# KiCad board ddr5-testboard.kicad_pcb (continued)
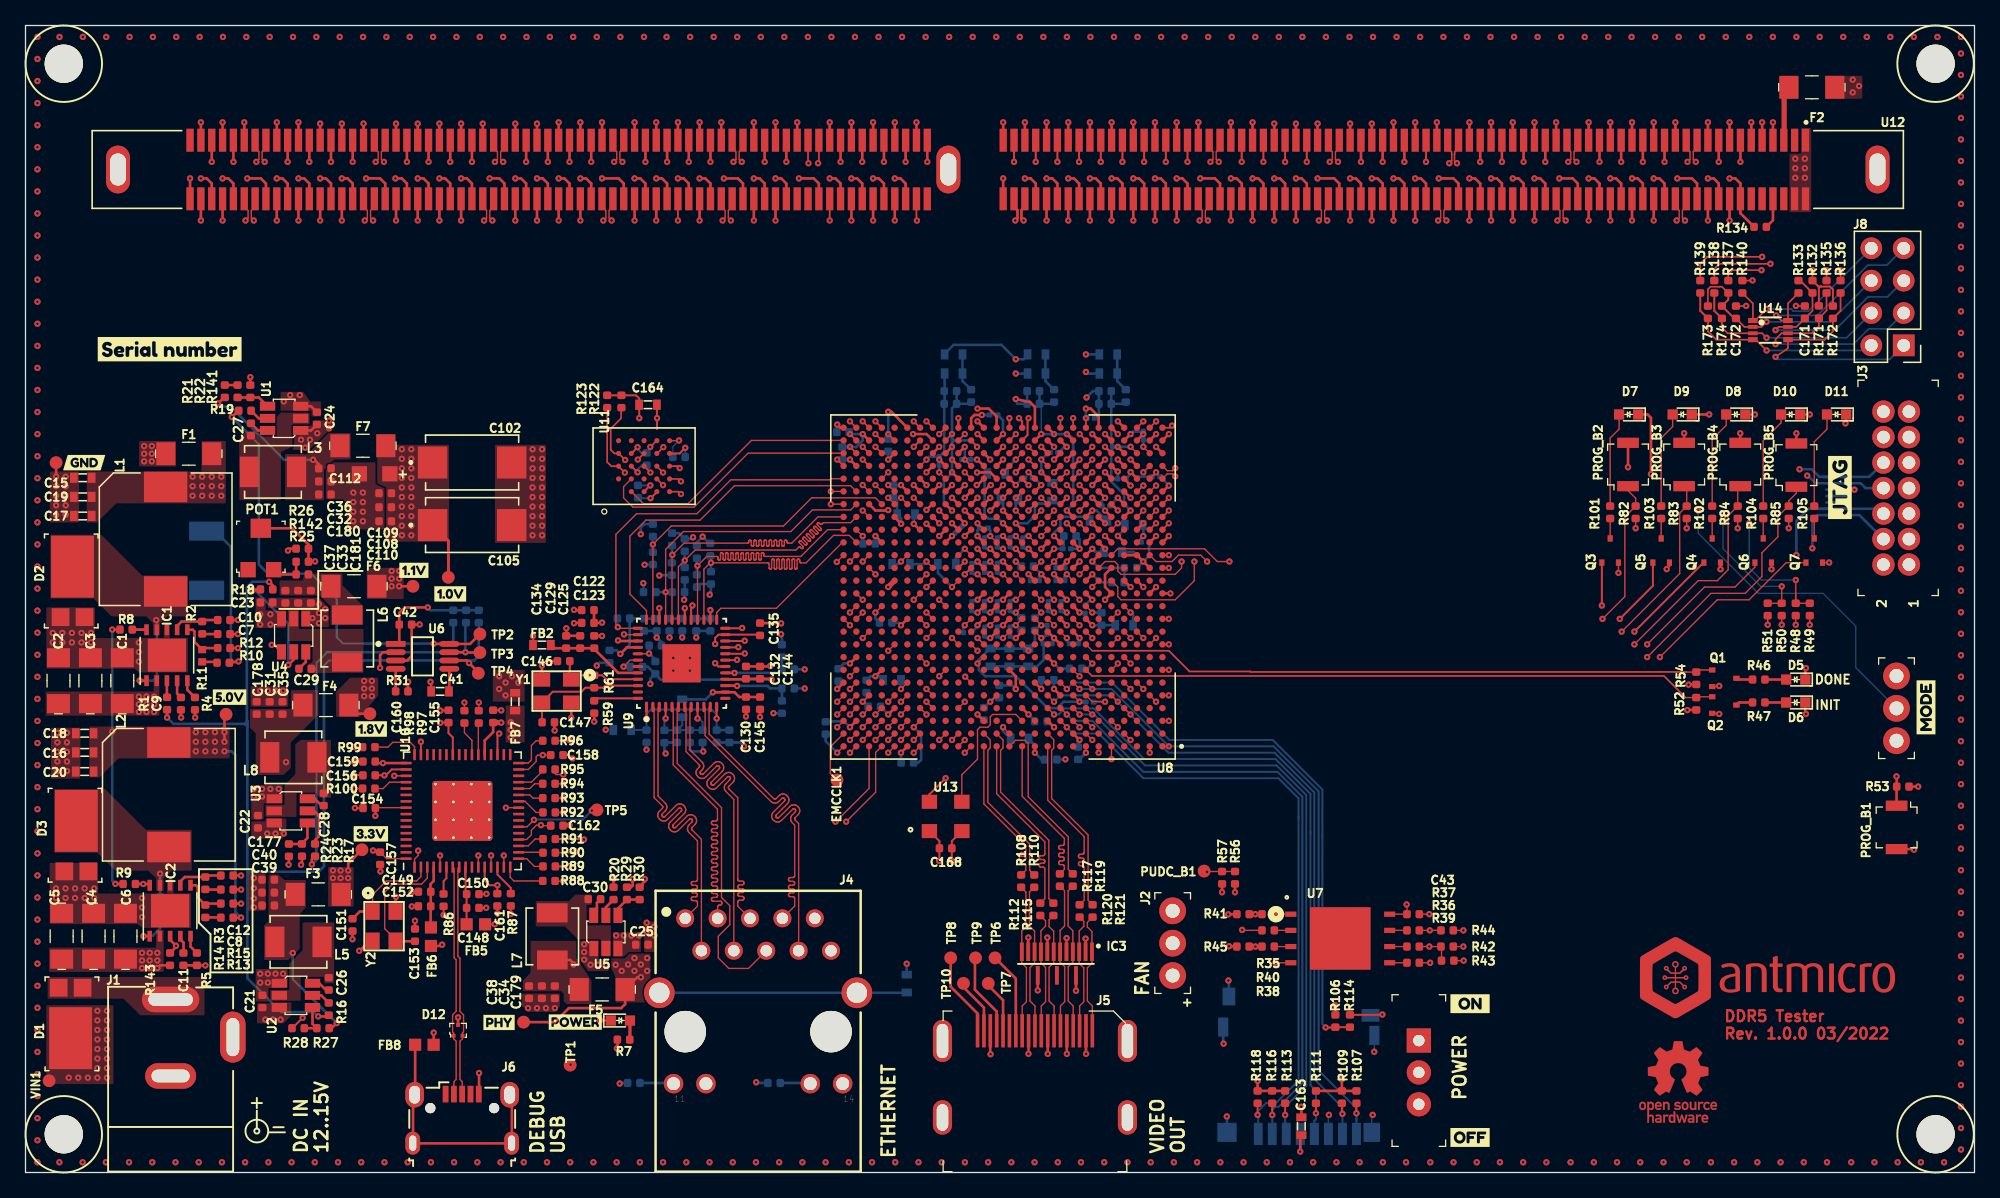
[diagram p0: board, top side]
## Routing (per net, layer and track width the routed paths; a pad name or vN(x,y) marks a point on that pad's centre or on a via; arc(x,y) is an arc through that point) (continued)
DQS4_A_N: length 36.4
  Top w0.1: U12.56 92.8,80.38 93.1,80.09 93.1,79.5 v3(92.9,79.3)
  Top w0.2: U8.AD8 v3(81.64,55.94)
  In5.Cu w0.102: v3(92.9,79.3) 93.11,79.09 93.11,78.71 93.11,78.69 93.1,78.67 93.09,78.65 93.07,78.63 93.05,78.62 93.03,78.61 93.01,78.61 92.79,78.61 92.73,78.6 92.66,78.58 92.6,78.54 92.55,78.49 92.52,78.44 92.49,78.37 92.49,78.3 92.49,78.26 92.49,78.2 92.52,78.13 92.55,78.07 92.6,78.02 92.66,77.99 92.73,77.96 92.79,77.96 93.64,77.96 93.66,77.95 93.68,77.94 93.7,77.93 93.72,77.92 93.73,77.9 93.74,77.88 93.74,77.85 93.74,77.83 93.73,77.81 93.72,77.79 93.7,77.77 93.68,77.76 93.66,77.75 93.64,77.75 92.79,77.75 92.73,77.74 92.66,77.72 92.6,77.68 92.55,77.64 92.52,77.58 92.49,77.51 92.49,77.44 92.49,77.41 92.49,77.34 92.52,77.27 92.55,77.21 92.6,77.16 92.66,77.13 92.73,77.1 92.79,77.1 93.01,77.1 93.03,77.09 93.05,77.09 93.07,77.07 93.09,77.06 93.1,77.04 93.11,77.02 93.11,76.99 93.11,63.27 91.7,61.86 87.3,61.86 82.02,56.58 82.02,56.33 v3(81.64,55.94)
DQS4_A_P: length 36.4
  Top w0.1: v3(93.55,79.3) 93.35,79.5 93.35,80.09 93.65,80.38 U12.55
  Top w0.2: U8.AC8 v3(82.64,55.94)
  In5.Cu w0.102: v3(82.64,55.94) 82.25,56.33 82.25,56.49 87.4,61.64 91.8,61.64 93.34,63.18 93.34,77.01 93.33,77.08 93.31,77.15 93.27,77.21 93.22,77.26 93.16,77.29 93.1,77.31 93.03,77.32 92.81,77.32 92.79,77.33 92.77,77.33 92.75,77.34 92.73,77.36 92.72,77.38 92.71,77.4 92.71,77.42 92.71,77.45 92.72,77.47 92.73,77.49 92.75,77.5 92.77,77.52 92.79,77.52 92.81,77.53 93.66,77.53 93.72,77.53 93.79,77.56 93.85,77.59 93.9,77.64 93.93,77.7 93.96,77.77 93.96,77.83 93.96,77.87 93.96,77.94 93.93,78.01 93.9,78.06 93.85,78.11 93.79,78.15 93.72,78.17 93.66,78.18 92.81,78.18 92.79,78.18 92.77,78.19 92.75,78.2 92.73,78.22 92.72,78.24 92.71,78.26 92.71,78.28 92.71,78.31 92.72,78.33 92.73,78.35 92.75,78.36 92.77,78.37 92.79,78.38 92.81,78.38 93.03,78.38 93.1,78.39 93.16,78.41 93.22,78.45 93.27,78.5 93.31,78.56 93.33,78.62 93.34,78.69 93.34,79.09 v3(93.55,79.3)
DQS4_B_N: length 51.7
  Top w0.1: U12.238 55.4,75.78 55.1,75.48 55.1,74.9 v3(55.3,74.7)
  Top w0.15: U8.AE12 78.56,57.86 78.56,59.11 v3(78.64,59.19)
  In5.Cu w0.102: v3(55.3,74.7) 55.09,74.49 55.09,74.19 55.08,74.12 55.06,74.06 55.02,74 54.97,73.95 54.91,73.91 54.85,73.89 54.78,73.88 54.44,73.88 54.42,73.88 54.4,73.87 54.38,73.86 54.37,73.85 54.35,73.83 54.35,73.81 54.34,73.78 54.35,73.76 54.35,73.74 54.37,73.72 54.38,73.7 54.4,73.69 54.42,73.68 54.44,73.68 55.52,73.68 55.59,73.67 55.66,73.65 55.72,73.61 55.77,73.56 55.8,73.51 55.83,73.44 55.83,73.37 55.83,73.33 55.83,73.27 55.8,73.2 55.77,73.14 55.72,73.09 55.66,73.06 55.59,73.03 55.52,73.03 54.44,73.03 54.42,73.02 54.4,73.02 54.38,73 54.37,72.99 54.35,72.97 54.35,72.95 54.34,72.92 54.35,72.9 54.35,72.88 54.37,72.86 54.38,72.84 54.4,72.83 54.42,72.83 54.44,72.82 55.52,72.82 55.59,72.81 55.66,72.79 55.72,72.76 55.77,72.71 55.8,72.65 55.83,72.58 55.83,72.51 55.83,72.48 55.83,72.41 55.8,72.34 55.77,72.28 55.72,72.23 55.66,72.2 55.59,72.18 55.52,72.17 54.44,72.17 54.42,72.16 54.4,72.16 54.38,72.15 54.37,72.13 54.35,72.11 54.35,72.09 54.34,72.07 54.35,72.04 54.35,72.02 54.37,72 54.38,71.99 54.4,71.97 54.42,71.97 54.44,71.96 55.52,71.96 55.59,71.96 55.66,71.93 55.72,71.9 55.77,71.85 55.8,71.79 55.83,71.72 55.83,71.66 55.83,71.62 55.83,71.55 55.8,71.48 55.77,71.42 55.72,71.38 55.66,71.34 55.59,71.32 55.52,71.31 54.44,71.31 54.42,71.31 54.4,71.3 54.38,71.29 54.37,71.27 54.35,71.25 54.35,71.23 54.34,71.21 54.35,71.18 54.35,71.16 54.37,71.14 54.38,71.13 54.4,71.12 54.42,71.11 54.44,71.11 55.52,71.11 55.59,71.1 55.66,71.07 55.72,71.04 55.77,70.99 55.8,70.93 55.83,70.87 55.83,70.8 55.83,70.76 55.83,70.69 55.8,70.63 55.77,70.57 55.72,70.52 55.66,70.48 55.59,70.46 55.52,70.45 54.44,70.45 54.42,70.45 54.4,70.44 54.38,70.43 54.37,70.41 54.35,70.39 54.35,70.37 54.34,70.35 54.35,70.33 54.35,70.3 54.37,70.29 54.38,70.27 54.4,70.26 54.42,70.25 54.44,70.25 54.78,70.25 54.85,70.24 54.91,70.22 54.97,70.18 55.02,70.13 55.06,70.07 55.08,70.01 55.09,69.94 55.09,69.07 55.85,68.31 74.35,68.31 78.37,64.29 78.37,59.45 v3(78.64,59.19)
DQS4_B_P: length 51.7
  Top w0.1: v3(54.65,74.7) 54.85,74.9 54.85,75.48 54.55,75.78 U12.239
  Top w0.15: U8.AF12 78.14,58.94 v3(77.89,59.19)
  In5.Cu w0.102: v3(54.65,74.7) 54.86,74.49 54.86,74.21 54.86,74.19 54.85,74.17 54.84,74.15 54.82,74.13 54.8,74.12 54.78,74.11 54.76,74.11 54.43,74.11 54.36,74.1 54.29,74.08 54.23,74.04 54.18,73.99 54.15,73.94 54.12,73.87 54.12,73.8 54.12,73.76 54.12,73.7 54.15,73.63 54.18,73.57 54.23,73.52 54.29,73.49 54.36,73.46 54.43,73.46 55.51,73.46 55.53,73.45 55.55,73.44 55.57,73.43 55.58,73.42 55.6,73.4 55.6,73.38 55.61,73.35 55.6,73.33 55.6,73.31 55.58,73.29 55.57,73.27 55.55,73.26 55.53,73.25 55.51,73.25 54.43,73.25 54.36,73.24 54.29,73.22 54.23,73.18 54.18,73.14 54.15,73.08 54.12,73.01 54.12,72.94 54.12,72.91 54.12,72.84 54.15,72.77 54.18,72.71 54.23,72.66 54.29,72.63 54.36,72.6 54.43,72.6 55.51,72.6 55.53,72.59 55.55,72.59 55.57,72.57 55.58,72.56 55.6,72.54 55.6,72.52 55.61,72.49 55.6,72.47 55.6,72.45 55.58,72.43 55.57,72.42 55.55,72.4 55.53,72.4 55.51,72.39 54.43,72.39 54.36,72.39 54.29,72.36 54.23,72.33 54.18,72.28 54.15,72.22 54.12,72.15 54.12,72.08 54.12,72.05 54.12,71.98 54.15,71.91 54.18,71.85 54.23,71.81 54.29,71.77 54.36,71.75 54.43,71.74 55.51,71.74 55.53,71.74 55.55,71.73 55.57,71.72 55.58,71.7 55.6,71.68 55.6,71.66 55.61,71.64 55.6,71.61 55.6,71.59 55.58,71.57 55.57,71.56 55.55,71.54 55.53,71.54 55.51,71.53 54.43,71.53 54.36,71.53 54.29,71.5 54.23,71.47 54.18,71.42 54.15,71.36 54.12,71.29 54.12,71.23 54.12,71.19 54.12,71.12 54.15,71.05 54.18,71 54.23,70.95 54.29,70.91 54.36,70.89 54.43,70.88 55.51,70.88 55.53,70.88 55.55,70.87 55.57,70.86 55.58,70.84 55.6,70.82 55.6,70.8 55.61,70.78 55.6,70.76 55.6,70.73 55.58,70.71 55.57,70.7 55.55,70.69 55.53,70.68 55.51,70.68 54.43,70.68 54.36,70.67 54.29,70.65 54.23,70.61 54.18,70.56 54.15,70.5 54.12,70.44 54.12,70.37 54.12,70.33 54.12,70.26 54.15,70.2 54.18,70.14 54.23,70.09 54.29,70.05 54.36,70.03 54.43,70.02 54.76,70.02 54.78,70.02 54.8,70.01 54.82,70 54.84,69.98 54.85,69.96 54.86,69.94 54.86,69.92 54.86,68.98 55.75,68.09 74.25,68.09 78.15,64.19 78.15,60.36 78.15,60.34 78.14,60.31 78.13,60.29 78.11,60.28 78.09,60.27 78.07,60.26 78.05,60.26 77.89,60.26 77.87,60.25 77.85,60.25 77.83,60.23 77.81,60.22 77.8,60.2 77.79,60.18 77.79,60.15 77.79,60.13 77.8,60.11 77.81,60.09 77.83,60.08 77.85,60.06 77.87,60.06 77.89,60.05 78.05,60.05 78.07,60.05 78.09,60.04 78.11,60.03 78.13,60.02 78.14,60 78.15,59.97 78.15,59.95 78.15,59.96 78.15,59.94 78.14,59.91 78.13,59.89 78.11,59.88 78.09,59.87 78.07,59.86 78.05,59.86 77.89,59.86 77.87,59.85 77.85,59.85 77.83,59.83 77.81,59.82 77.8,59.8 77.79,59.78 77.79,59.75 77.79,59.73 77.8,59.71 77.81,59.69 77.83,59.68 77.85,59.66 77.87,59.66 77.89,59.65 78.05,59.65 78.07,59.65 78.09,59.64 78.11,59.63 78.13,59.62 78.14,59.6 78.15,59.57 78.15,59.55 78.15,59.45 v3(77.89,59.19)
DQS5_A_N: length 77.6
  Top w0.1: U12.156 130.2,75.78 129.9,75.48 129.9,74.9 v1(130.1,74.7)
  Top w0.11: U8.A17 v1(73.64,33.94)
  In9.Cu w0.102: v1(130.1,74.7) 129.89,74.49 129.89,73.98 94.3,38.39 76.3,38.39 73.25,35.34 73.25,34.33 v1(73.64,33.94)
DQS5_A_P: length 77.6
  Top w0.1: v1(129.45,74.7) 129.65,74.9 129.65,75.48 129.35,75.78 U12.157
  Top w0.11: U8.B17 v1(72.64,33.94)
  In9.Cu w0.102: v1(129.45,74.7) 129.66,74.49 129.66,74.07 94.2,38.61 76.2,38.61 73.02,35.43 73.02,34.33 v1(72.64,33.94)
DQS5_B_N: length 57.1
  Top w0.1: v1(45.95,74.7) 45.75,74.9 45.75,75.48 46.05,75.78 U12.249
  Top w0.15: U8.R17 v1(73.64,47.94)
  In9.Cu w0.102: v1(45.95,74.7) 45.74,74.49 45.74,72.42 45.84,72.32 45.89,72.26 45.92,72.2 45.93,72.13 45.93,72.06 45.92,72 45.89,71.93 45.84,71.88 45.7,71.74 45.69,71.72 45.68,71.7 45.67,71.68 45.67,71.65 45.68,71.63 45.69,71.61 45.7,71.59 45.72,71.58 45.74,71.57 45.76,71.56 45.78,71.56 45.81,71.57 45.83,71.58 45.84,71.59 46.42,72.17 46.47,72.21 46.54,72.24 46.6,72.26 46.67,72.26 46.74,72.24 46.8,72.21 46.86,72.17 46.88,72.14 46.93,72.09 46.96,72.03 46.97,71.96 46.97,71.89 46.96,71.82 46.93,71.76 46.88,71.71 46.31,71.13 46.29,71.11 46.28,71.09 46.28,71.07 46.28,71.05 46.28,71.03 46.29,71 46.31,70.99 46.33,70.97 46.35,70.96 46.37,70.96 46.39,70.96 46.41,70.96 46.43,70.97 46.45,70.99 47.03,71.56 47.08,71.6 47.14,71.63 47.21,71.65 47.28,71.65 47.35,71.63 47.41,71.6 47.46,71.56 47.49,71.53 47.53,71.48 47.56,71.42 47.58,71.35 47.58,71.28 47.56,71.21 47.53,71.15 47.49,71.1 46.92,70.52 46.9,70.51 46.89,70.49 46.89,70.46 46.89,70.44 46.89,70.42 46.9,70.4 46.92,70.38 46.93,70.37 46.95,70.36 46.98,70.35 47,70.35 47.02,70.36 47.04,70.37 47.06,70.38 47.63,70.95 47.69,71 47.75,71.03 47.82,71.04 47.89,71.04 47.95,71.03 48.02,71 48.07,70.95 48.1,70.93 48.14,70.87 48.17,70.81 48.19,70.74 48.19,70.67 48.17,70.61 48.14,70.55 48.1,70.49 47.52,69.92 47.51,69.9 47.5,69.88 47.49,69.86 47.49,69.83 47.5,69.81 47.51,69.79 47.52,69.77 47.54,69.76 47.56,69.75 47.58,69.74 47.61,69.74 47.63,69.75 47.65,69.76 47.67,69.77 48.24,70.35 48.29,70.39 48.36,70.42 48.42,70.44 48.49,70.44 48.56,70.42 48.62,70.39 48.68,70.35 48.7,70.32 48.75,70.27 48.78,70.2 48.79,70.14 48.79,70.07 48.78,70 48.75,69.94 48.7,69.88 48.13,69.31 48.12,69.29 48.11,69.27 48.1,69.25 48.1,69.23 48.11,69.2 48.12,69.18 48.13,69.17 48.15,69.15 48.17,69.14 48.19,69.14 48.21,69.14 48.23,69.14 48.26,69.15 48.27,69.17 48.85,69.74 48.9,69.78 48.96,69.81 49.03,69.83 49.1,69.83 49.17,69.81 49.23,69.78 49.28,69.74 49.31,69.71 49.35,69.66 49.38,69.6 49.4,69.53 49.4,69.46 49.38,69.39 49.35,69.33 49.31,69.28 48.74,68.7 48.72,68.68 48.71,68.66 48.71,68.64 48.71,68.62 48.71,68.6 48.72,68.58 48.74,68.56 48.75,68.54 48.77,68.53 48.8,68.53 48.82,68.53 48.84,68.53 48.86,68.54 48.88,68.56 49.45,69.13 49.51,69.18 49.57,69.21 49.64,69.22 49.71,69.22 49.77,69.21 49.84,69.18 49.89,69.13 49.92,69.11 49.96,69.05 49.99,68.99 50.01,68.92 50.01,68.85 49.99,68.79 49.96,68.72 49.92,68.67 49.34,68.1 49.33,68.08 49.32,68.06 49.31,68.03 49.31,68.01 49.32,67.99 49.33,67.97 49.34,67.95 49.36,67.94 49.38,67.93 49.4,67.92 49.43,67.92 49.45,67.93 49.47,67.94 49.49,67.95 49.63,68.09 49.68,68.14 49.75,68.17 49.81,68.18 49.88,68.18 49.95,68.17 50.01,68.14 50.07,68.09 55.83,62.33 55.85,62.32 55.87,62.31 55.89,62.3 55.91,62.3 55.94,62.31 55.96,62.32 55.97,62.33 56.02,62.38 56.04,62.4 56.06,62.4 56.08,62.41 56.11,62.41 56.13,62.4 56.15,62.4 56.17,62.38 56.18,62.36 56.19,62.34 56.2,62.32 56.2,62.3 56.19,62.28 56.18,62.25 56.17,62.24 56.12,62.19 56.1,62.17 56.09,62.15 56.09,62.13 56.09,62.1 56.09,62.08 56.1,62.06 56.12,62.04 68.55,49.61 70.55,49.61 72.61,47.55 73.25,47.55 v1(73.64,47.94)
DQS5_B_P: length 57.1
  Top w0.1: v1(45.3,74.7) 45.5,74.9 45.5,75.48 45.2,75.78 U12.250
  Top w0.15: U8.R16 v1(73.64,46.94)
  In9.Cu w0.102: v1(45.3,74.7) 45.51,74.49 45.51,72.33 45.67,72.17 45.68,72.15 45.69,72.13 45.7,72.11 45.7,72.09 45.69,72.06 45.68,72.04 45.67,72.03 45.53,71.88 45.48,71.83 45.45,71.77 45.44,71.7 45.44,71.63 45.45,71.56 45.48,71.5 45.53,71.45 45.55,71.42 45.61,71.38 45.67,71.35 45.74,71.33 45.81,71.33 45.87,71.35 45.94,71.38 45.99,71.42 46.57,72 46.58,72.01 46.6,72.02 46.63,72.02 46.65,72.02 46.67,72.02 46.69,72.01 46.71,72 46.72,71.98 46.73,71.96 46.74,71.93 46.74,71.91 46.73,71.89 46.72,71.87 46.71,71.85 46.13,71.28 46.09,71.22 46.06,71.16 46.05,71.09 46.05,71.02 46.06,70.96 46.09,70.89 46.13,70.84 46.16,70.81 46.22,70.77 46.28,70.74 46.35,70.73 46.41,70.73 46.48,70.74 46.54,70.77 46.6,70.81 47.17,71.39 47.19,71.4 47.21,71.41 47.23,71.42 47.26,71.42 47.28,71.41 47.3,71.4 47.32,71.39 47.33,71.37 47.34,71.35 47.35,71.33 47.35,71.31 47.34,71.28 47.33,71.26 47.32,71.24 46.74,70.67 46.7,70.62 46.67,70.55 46.65,70.49 46.65,70.42 46.67,70.35 46.7,70.29 46.74,70.23 46.77,70.21 46.82,70.16 46.89,70.13 46.95,70.12 47.02,70.12 47.09,70.13 47.15,70.16 47.21,70.21 47.78,70.78 47.8,70.8 47.82,70.81 47.84,70.81 47.86,70.81 47.89,70.81 47.91,70.8 47.92,70.78 47.94,70.76 47.95,70.74 47.95,70.72 47.95,70.7 47.95,70.68 47.94,70.66 47.92,70.64 47.35,70.06 47.31,70.01 47.28,69.95 47.26,69.88 47.26,69.81 47.28,69.74 47.31,69.68 47.35,69.63 47.38,69.6 47.43,69.56 47.49,69.53 47.56,69.51 47.63,69.51 47.7,69.53 47.76,69.56 47.81,69.6 48.39,70.17 48.4,70.19 48.43,70.2 48.45,70.2 48.47,70.2 48.49,70.2 48.51,70.19 48.53,70.17 48.54,70.16 48.55,70.14 48.56,70.11 48.56,70.09 48.55,70.07 48.54,70.05 48.53,70.03 47.96,69.46 47.91,69.4 47.88,69.34 47.87,69.27 47.87,69.2 47.88,69.14 47.91,69.07 47.96,69.02 47.98,68.99 48.04,68.95 48.1,68.92 48.17,68.9 48.24,68.9 48.3,68.92 48.37,68.95 48.42,68.99 48.99,69.57 49.01,69.58 49.03,69.59 49.05,69.6 49.08,69.6 49.1,69.59 49.12,69.58 49.14,69.57 49.15,69.55 49.16,69.53 49.17,69.51 49.17,69.48 49.16,69.46 49.15,69.44 49.14,69.42 48.56,68.85 48.52,68.79 48.49,68.73 48.47,68.67 48.47,68.6 48.49,68.53 48.52,68.47 48.56,68.41 48.59,68.39 48.64,68.34 48.71,68.31 48.77,68.3 48.84,68.3 48.91,68.31 48.97,68.34 49.03,68.39 49.6,68.96 49.62,68.97 49.64,68.98 49.66,68.99 49.68,68.99 49.71,68.98 49.73,68.97 49.74,68.96 49.76,68.94 49.77,68.92 49.77,68.9 49.77,68.88 49.77,68.85 49.76,68.83 49.74,68.82 49.17,68.24 49.13,68.19 49.1,68.13 49.08,68.06 49.08,67.99 49.1,67.92 49.13,67.86 49.17,67.81 49.2,67.78 49.25,67.74 49.31,67.71 49.38,67.69 49.45,67.69 49.52,67.71 49.58,67.74 49.63,67.78 49.78,67.92 49.79,67.93 49.81,67.94 49.84,67.95 49.86,67.95 49.88,67.94 49.9,67.93 49.92,67.92 68.45,49.39 70.45,49.39 72.51,47.33 73.25,47.33 v1(73.64,46.94)
DQS6_A_N: length 72.7
  Top w0.1: v1(120.75,74.7) 120.55,74.9 120.55,75.48 120.85,75.78 U12.167
  Top w0.11: U8.D20 v1(70.64,35.94)
  In9.Cu w0.102: v1(120.75,74.7) 120.54,74.49 120.54,67.88 91.8,39.14 75.05,39.14 72.24,36.33 71.02,36.33 v1(70.64,35.94)
DQS6_A_P: length 72.7
  Top w0.1: v1(120.1,74.7) 120.3,74.9 120.3,75.48 120,75.78 U12.168
  Top w0.11: U8.D19 v1(70.64,36.94)
  In9.Cu w0.102: v1(120.1,74.7) 120.31,74.49 120.31,67.97 105.96,53.62 103.9,51.56 103.88,51.55 103.86,51.53 103.83,51.53 103.8,51.53 103.77,51.53 103.75,51.55 103.72,51.56 103.69,51.59 103.67,51.61 103.65,51.62 103.62,51.63 103.59,51.63 103.56,51.62 103.54,51.61 103.51,51.59 103.5,51.57 103.48,51.55 103.48,51.52 103.48,51.49 103.48,51.46 103.5,51.44 103.51,51.41 103.55,51.38 103.56,51.36 103.58,51.34 103.58,51.31 103.58,51.28 103.58,51.25 103.56,51.23 103.55,51.2 91.7,39.36 74.95,39.36 72.14,36.55 71.02,36.55 v1(70.64,36.94)
DQS6_B_N: length 61.5
  Top w0.1: U12.260 36.7,75.78 36.4,75.48 36.4,74.9 v1(36.6,74.7)
  Top w0.11: U8.P20 v1(70.64,46.94)
  In9.Cu w0.102: v1(70.64,46.94) 70.25,46.55 68.36,46.55 54.49,60.42 54.48,60.44 54.47,60.46 54.46,60.48 54.46,60.5 54.47,60.52 54.48,60.54 54.49,60.56 54.54,60.61 54.56,60.63 54.57,60.65 54.57,60.67 54.57,60.7 54.57,60.72 54.56,60.74 54.54,60.76 54.53,60.77 54.5,60.78 54.48,60.78 54.46,60.78 54.44,60.78 54.42,60.77 54.4,60.76 54.35,60.7 54.33,60.69 54.31,60.68 54.29,60.68 54.27,60.68 54.24,60.68 54.22,60.69 54.2,60.7 45.05,69.86 44.31,69.86 44.24,69.86 44.18,69.83 44.12,69.8 44.08,69.75 44.04,69.7 44.02,69.63 44.01,69.57 44.01,69.44 44.01,69.42 44,69.4 43.99,69.38 43.98,69.37 43.96,69.36 43.95,69.35 43.93,69.35 43.9,69.35 43.88,69.35 43.86,69.36 43.84,69.37 43.83,69.38 43.82,69.4 43.81,69.42 43.81,69.44 43.81,70.08 43.8,70.15 43.78,70.21 43.75,70.27 43.7,70.31 43.64,70.35 43.58,70.37 43.52,70.38 43.45,70.38 43.38,70.37 43.32,70.35 43.27,70.31 43.22,70.27 43.18,70.21 43.16,70.15 43.15,70.08 43.15,69.44 43.15,69.42 43.15,69.4 43.14,69.38 43.12,69.37 43.11,69.36 43.09,69.35 43.07,69.35 43.04,69.35 43.02,69.35 43,69.36 42.98,69.37 42.97,69.38 42.96,69.4 42.95,69.42 42.95,69.44 42.95,70.08 42.94,70.15 42.92,70.21 42.89,70.27 42.84,70.31 42.78,70.35 42.72,70.37 42.66,70.38 42.59,70.38 42.53,70.37 42.46,70.35 42.41,70.31 42.36,70.27 42.33,70.21 42.3,70.15 42.3,70.08 42.3,69.44 42.29,69.42 42.29,69.4 42.28,69.38 42.26,69.37 42.25,69.36 42.23,69.35 42.21,69.35 42.18,69.35 42.16,69.35 42.14,69.36 42.13,69.37 42.11,69.38 42.1,69.4 42.1,69.42 42.09,69.44 42.09,70.08 42.09,70.15 42.06,70.21 42.03,70.27 41.98,70.31 41.93,70.35 41.86,70.37 41.8,70.38 41.73,70.38 41.67,70.37 41.6,70.35 41.55,70.31 41.5,70.27 41.47,70.21 41.45,70.15 41.44,70.08 41.44,69.44 41.44,69.42 41.43,69.4 41.42,69.38 41.41,69.37 41.39,69.36 41.37,69.35 41.35,69.35 41.32,69.35 41.3,69.35 41.28,69.36 41.27,69.37 41.25,69.38 41.24,69.4 41.24,69.42 41.23,69.44 41.23,70.08 41.23,70.15 41.21,70.21 41.17,70.27 41.12,70.31 41.07,70.35 41.01,70.37 40.94,70.38 40.87,70.38 40.81,70.37 40.75,70.35 40.69,70.31 40.64,70.27 40.61,70.21 40.59,70.15 40.58,70.08 40.58,69.44 40.58,69.42 40.57,69.4 40.56,69.38 40.55,69.37 40.53,69.36 40.51,69.35 40.49,69.35 40.46,69.35 40.44,69.35 40.43,69.36 40.41,69.37 40.4,69.38 40.38,69.4 40.38,69.42 40.38,69.44 40.38,69.57 40.37,69.63 40.35,69.7 40.31,69.75 40.27,69.8 40.21,69.83 40.15,69.86 40.08,69.86 39.8,69.86 38.19,71.47 38.13,71.52 38.06,71.55 37.98,71.57 37.91,71.57 37.83,71.55 37.76,71.52 37.7,71.47 37.49,71.25 37.46,71.24 37.43,71.22 37.4,71.21 37.37,71.21 37.34,71.22 37.31,71.24 37.29,71.25 37.27,71.28 37.26,71.31 37.25,71.34 37.25,71.37 37.26,71.4 37.27,71.43 37.29,71.45 38.06,72.23 38.11,72.29 38.15,72.35 38.16,72.43 38.16,72.51 38.15,72.58 38.11,72.65 38.06,72.71 38.03,72.74 37.97,72.79 37.91,72.82 37.83,72.84 37.75,72.84 37.68,72.82 37.61,72.79 37.55,72.74 36.77,71.97 36.75,71.95 36.72,71.93 36.69,71.93 36.66,71.93 36.63,71.93 36.6,71.95 36.58,71.97 36.56,71.99 36.55,72.02 36.54,72.05 36.54,72.08 36.55,72.11 36.56,72.14 36.58,72.16 36.79,72.38 36.84,72.44 36.88,72.51 36.89,72.58 36.89,72.66 36.88,72.74 36.84,72.8 36.79,72.87 36.39,73.27 36.39,74.49 v1(36.6,74.7)
DQS6_B_P: length 61.5
  Top w0.1: v1(35.95,74.7) 36.15,74.9 36.15,75.48 35.85,75.78 U12.261
  Top w0.11: U8.P19 v1(70.64,45.94)
  In9.Cu w0.102: v1(35.95,74.7) 36.16,74.49 36.16,73.18 36.62,72.72 36.64,72.7 36.65,72.67 36.66,72.64 36.66,72.61 36.65,72.58 36.64,72.55 36.62,72.52 36.4,72.31 36.36,72.25 36.32,72.18 36.3,72.1 36.3,72.03 36.32,71.95 36.36,71.88 36.4,71.82 36.43,71.79 36.49,71.74 36.56,71.71 36.64,71.69 36.71,71.69 36.79,71.71 36.86,71.74 36.92,71.79 37.69,72.57 37.72,72.59 37.75,72.6 37.78,72.61 37.81,72.61 37.84,72.6 37.87,72.59 37.89,72.57 37.91,72.54 37.92,72.51 37.93,72.48 37.93,72.45 37.92,72.42 37.91,72.39 37.89,72.37 37.11,71.6 37.07,71.54 37.03,71.47 37.02,71.39 37.02,71.31 37.03,71.24 37.07,71.17 37.11,71.11 37.14,71.08 37.2,71.03 37.27,71 37.35,70.98 37.43,70.98 37.5,71 37.57,71.03 37.63,71.08 37.85,71.3 37.87,71.32 37.9,71.33 37.93,71.34 37.96,71.34 37.99,71.33 38.02,71.32 38.04,71.3 39.7,69.64 40.06,69.64 40.08,69.63 40.1,69.63 40.12,69.62 40.13,69.6 40.14,69.59 40.15,69.57 40.15,69.55 40.15,69.42 40.16,69.35 40.18,69.29 40.21,69.23 40.26,69.19 40.32,69.15 40.38,69.13 40.44,69.12 40.51,69.12 40.58,69.13 40.64,69.15 40.69,69.19 40.74,69.23 40.78,69.29 40.8,69.35 40.81,69.42 40.81,70.06 40.81,70.08 40.81,70.1 40.82,70.12 40.84,70.13 40.85,70.14 40.87,70.15 40.89,70.15 40.92,70.15 40.94,70.15 40.96,70.14 40.98,70.13 40.99,70.12 41,70.1 41.01,70.08 41.01,70.06 41.01,69.42 41.02,69.35 41.04,69.29 41.07,69.23 41.12,69.19 41.18,69.15 41.24,69.13 41.3,69.12 41.37,69.12 41.43,69.13 41.5,69.15 41.55,69.19 41.6,69.23 41.63,69.29 41.66,69.35 41.66,69.42 41.66,70.06 41.67,70.08 41.67,70.1 41.68,70.12 41.7,70.13 41.71,70.14 41.73,70.15 41.75,70.15 41.78,70.15 41.8,70.15 41.82,70.14 41.83,70.13 41.85,70.12 41.86,70.1 41.86,70.08 41.87,70.06 41.87,69.42 41.87,69.35 41.9,69.29 41.93,69.23 41.98,69.19 42.03,69.15 42.1,69.13 42.16,69.12 42.23,69.12 42.29,69.13 42.36,69.15 42.41,69.19 42.46,69.23 42.49,69.29 42.51,69.35 42.52,69.42 42.52,70.06 42.52,70.08 42.53,70.1 42.54,70.12 42.56,70.13 42.57,70.14 42.59,70.15 42.61,70.15 42.64,70.15 42.66,70.15 42.68,70.14 42.69,70.13 42.71,70.12 42.72,70.1 42.72,70.08 42.73,70.06 42.73,69.42 42.73,69.35 42.75,69.29 42.79,69.23 42.84,69.19 42.89,69.15 42.95,69.13 43.02,69.12 43.09,69.12 43.15,69.13 43.21,69.15 43.27,69.19 43.32,69.23 43.35,69.29 43.37,69.35 43.38,69.42 43.38,70.06 43.38,70.08 43.39,70.1 43.4,70.12 43.41,70.13 43.43,70.14 43.45,70.15 43.47,70.15 43.5,70.15 43.52,70.15 43.53,70.14 43.55,70.13 43.57,70.12 43.58,70.1 43.58,70.08 43.58,70.06 43.58,69.42 43.59,69.35 43.61,69.29 43.65,69.23 43.7,69.19 43.75,69.15 43.81,69.13 43.88,69.12 43.94,69.12 44.01,69.13 44.07,69.15 44.13,69.19 44.18,69.23 44.21,69.29 44.23,69.35 44.24,69.42 44.24,69.55 44.24,69.57 44.25,69.59 44.26,69.6 44.27,69.62 44.29,69.63 44.31,69.63 44.33,69.64 44.95,69.64 68.26,46.33 70.25,46.33 v1(70.64,45.94)
DQS7_A_N: length 66.6
  Top w0.1: v1(111.4,74.7) 111.2,74.9 111.2,75.48 111.5,75.78 U12.178
  Top w0.11: U8.L20 v1(70.64,42.94)
  In9.Cu w0.102: v1(111.4,74.7) 111.19,74.49 111.19,63.53 88.15,40.49 75.95,40.49 75.45,39.99 73.15,39.99 71.69,41.45 71.69,42.95 71.31,43.33 71.02,43.33 v1(70.64,42.94)
DQS7_A_P: length 66.6
  Top w0.1: v1(110.75,74.7) 110.95,74.9 110.95,75.48 110.65,75.78 U12.179
  Top w0.11: U8.L19 v1(70.64,43.94)
  In9.Cu w0.102: v1(110.75,74.7) 110.96,74.49 110.96,63.62 100.71,53.37 100.69,53.35 100.67,53.34 100.65,53.34 100.62,53.34 100.6,53.34 100.58,53.35 100.56,53.37 100.51,53.42 100.5,53.43 100.47,53.44 100.45,53.45 100.43,53.45 100.41,53.44 100.39,53.43 100.37,53.42 100.36,53.4 100.35,53.38 100.34,53.36 100.34,53.33 100.35,53.31 100.36,53.29 100.37,53.27 100.42,53.22 100.43,53.21 100.44,53.19 100.45,53.16 100.45,53.14 100.44,53.12 100.43,53.1 100.42,53.08 88.05,40.71 75.85,40.71 75.35,40.21 73.25,40.21 71.91,41.55 71.91,43.05 71.41,43.55 71.02,43.55 v1(70.64,43.94)
DQS7_B_N: length 73.2
  Top w0.1: U12.271 27.35,75.78 27.05,75.48 27.05,74.9 v1(27.25,74.7)
  Top w0.11: U8.T25 v1(64.64,47.94)
  In9.Cu w0.102: v1(64.64,47.94) 65.02,47.55 65.02,47.18 64.7,46.86 64.05,46.86 52.55,58.36 44.75,58.36 44.72,58.37 44.69,58.38 44.67,58.39 44.65,58.41 44.64,58.43 44.63,58.46 44.62,58.49 44.62,58.53 44.62,58.56 44.61,58.59 44.6,58.61 44.58,58.63 44.55,58.65 44.52,58.66 44.5,58.66 44.47,58.66 44.44,58.65 44.42,58.63 44.4,58.61 44.38,58.59 44.37,58.56 44.37,58.53 44.37,58.49 44.37,58.46 44.36,58.43 44.34,58.41 44.32,58.39 44.3,58.38 44.27,58.37 44.24,58.36 44.22,58.37 44.19,58.38 44.16,58.39 44.14,58.41 44.13,58.43 44.12,58.46 44.12,58.49 44.12,58.53 44.11,58.56 44.1,58.59 44.09,58.61 44.07,58.63 44.05,58.65 44.02,58.66 43.99,58.66 43.96,58.66 43.94,58.65 43.91,58.63 43.89,58.61 43.88,58.59 43.87,58.56 43.86,58.53 43.86,58.49 43.86,58.46 43.85,58.43 43.84,58.41 43.82,58.39 43.79,58.38 43.77,58.37 43.74,58.36 42.8,58.36 34.89,66.27 34.83,66.32 34.77,66.35 34.7,66.36 34.63,66.36 34.57,66.35 34.5,66.32 34.45,66.27 34.32,66.15 34.31,66.13 34.29,66.12 34.26,66.12 34.24,66.12 34.22,66.12 34.2,66.13 34.18,66.15 34.17,66.16 34.16,66.18 34.15,66.21 34.15,66.23 34.16,66.25 34.17,66.27 34.18,66.29 34.72,66.83 34.77,66.89 34.8,66.95 34.81,67.02 34.81,67.09 34.8,67.15 34.77,67.22 34.72,67.27 34.7,67.3 34.64,67.34 34.58,67.37 34.51,67.39 34.44,67.39 34.38,67.37 34.31,67.34 34.26,67.3 33.72,66.75 33.7,66.74 33.68,66.73 33.66,66.72 33.63,66.72 33.61,66.73 33.59,66.74 33.57,66.75 33.56,66.77 33.55,66.79 33.54,66.81 33.54,66.84 33.55,66.86 33.56,66.88 33.57,66.9 34.12,67.44 34.16,67.49 34.19,67.56 34.21,67.62 34.21,67.69 34.19,67.76 34.16,67.82 34.12,67.88 34.09,67.9 34.04,67.95 33.97,67.98 33.91,67.99 33.84,67.99 33.77,67.98 33.71,67.95 33.65,67.9 33.11,67.36 33.09,67.35 33.07,67.34 33.05,67.33 33.03,67.33 33,67.34 32.98,67.35 32.97,67.36 32.95,67.38 32.94,67.4 32.94,67.42 32.94,67.44 32.94,67.47 32.95,67.49 32.97,67.5 33.51,68.05 33.55,68.1 33.58,68.16 33.6,68.23 33.6,68.3 33.58,68.37 33.55,68.43 33.51,68.48 33.48,68.51 33.43,68.55 33.37,68.58 33.3,68.6 33.23,68.6 33.16,68.58 33.1,68.55 33.05,68.51 32.5,67.97 32.48,67.95 32.46,67.94 32.44,67.94 32.42,67.94 32.4,67.94 32.38,67.95 32.36,67.97 32.34,67.98 32.33,68.01 32.33,68.03 32.33,68.05 32.33,68.07 32.34,68.09 32.36,68.11 32.9,68.65 32.95,68.71 32.98,68.77 32.99,68.84 32.99,68.91 32.98,68.97 32.95,69.04 32.9,69.09 32.88,69.12 32.82,69.16 32.76,69.19 32.69,69.21 32.62,69.21 32.56,69.19 32.49,69.16 32.44,69.12 31.9,68.57 31.88,68.56 31.86,68.55 31.83,68.54 31.81,68.54 31.79,68.55 31.77,68.56 31.75,68.57 31.74,68.59 31.73,68.61 31.72,68.63 31.72,68.66 31.73,68.68 31.74,68.7 31.75,68.72 32.3,69.26 32.34,69.32 32.37,69.38 32.38,69.45 32.38,69.51 32.37,69.58 32.34,69.64 32.3,69.7 32.27,69.73 32.21,69.77 32.15,69.8 32.09,69.81 32.02,69.81 31.95,69.8 31.89,69.77 31.83,69.73 31.29,69.18 31.27,69.17 31.25,69.16 31.23,69.15 31.21,69.15 31.18,69.16 31.16,69.17 31.14,69.18 31.13,69.2 31.12,69.22 31.12,69.24 31.12,69.26 31.12,69.29 31.13,69.31 31.14,69.32 31.69,69.87 31.73,69.92 31.76,69.99 31.78,70.05 31.78,70.12 31.76,70.19 31.73,70.25 31.69,70.31 31.66,70.33 31.61,70.38 31.55,70.41 31.48,70.42 31.41,70.42 31.34,70.41 31.28,70.38 31.23,70.33 30.68,69.79 30.66,69.77 30.64,69.76 30.62,69.76 30.6,69.76 30.58,69.76 30.56,69.77 30.54,69.79 30.52,69.81 30.51,69.83 30.51,69.85 30.51,69.87 30.51,69.89 30.52,69.91 30.54,69.93 31.08,70.48 31.12,70.53 31.15,70.59 31.17,70.66 31.17,70.73 31.15,70.8 31.12,70.86 31.08,70.91 31.05,70.94 31,70.98 30.94,71.01 30.87,71.03 30.8,71.03 30.73,71.01 30.67,70.98 30.62,70.94 30.07,70.4 30.06,70.38 30.04,70.37 30.01,70.37 29.99,70.37 29.97,70.37 29.95,70.38 29.93,70.4 29.92,70.41 29.91,70.43 29.9,70.46 29.9,70.48 29.91,70.5 29.92,70.52 29.93,70.54 30.47,71.08 30.52,71.14 30.55,71.2 30.56,71.27 30.56,71.34 30.55,71.4 30.52,71.47 30.47,71.52 30.45,71.55 30.39,71.59 30.33,71.62 30.26,71.63 30.19,71.63 30.13,71.62 30.07,71.59 30.01,71.55 29.47,71 29.45,70.99 29.43,70.98 29.41,70.97 29.38,70.97 29.36,70.98 29.34,70.99 29.32,71 29.31,71.02 29.3,71.04 29.29,71.06 29.29,71.09 29.3,71.11 29.31,71.13 29.32,71.15 29.87,71.69 29.91,71.74 29.94,71.81 29.96,71.87 29.96,71.94 29.94,72.01 29.91,72.07 29.87,72.13 29.84,72.15 29.79,72.2 29.72,72.23 29.66,72.24 29.59,72.24 29.52,72.23 29.46,72.2 29.4,72.15 28.86,71.61 28.84,71.6 28.82,71.59 28.8,71.58 28.78,71.58 28.75,71.59 28.73,71.6 28.72,71.61 28.7,71.63 28.69,71.65 28.69,71.67 28.69,71.69 28.69,71.71 28.7,71.74 28.72,71.75 28.84,71.88 28.89,71.93 28.92,72 28.93,72.06 28.93,72.13 28.92,72.2 28.89,72.26 28.84,72.32 27.04,74.12 27.04,74.49 v1(27.25,74.7)